# Altium PCB MB1272C.PcbDoc (part 7 of 10) (continued)
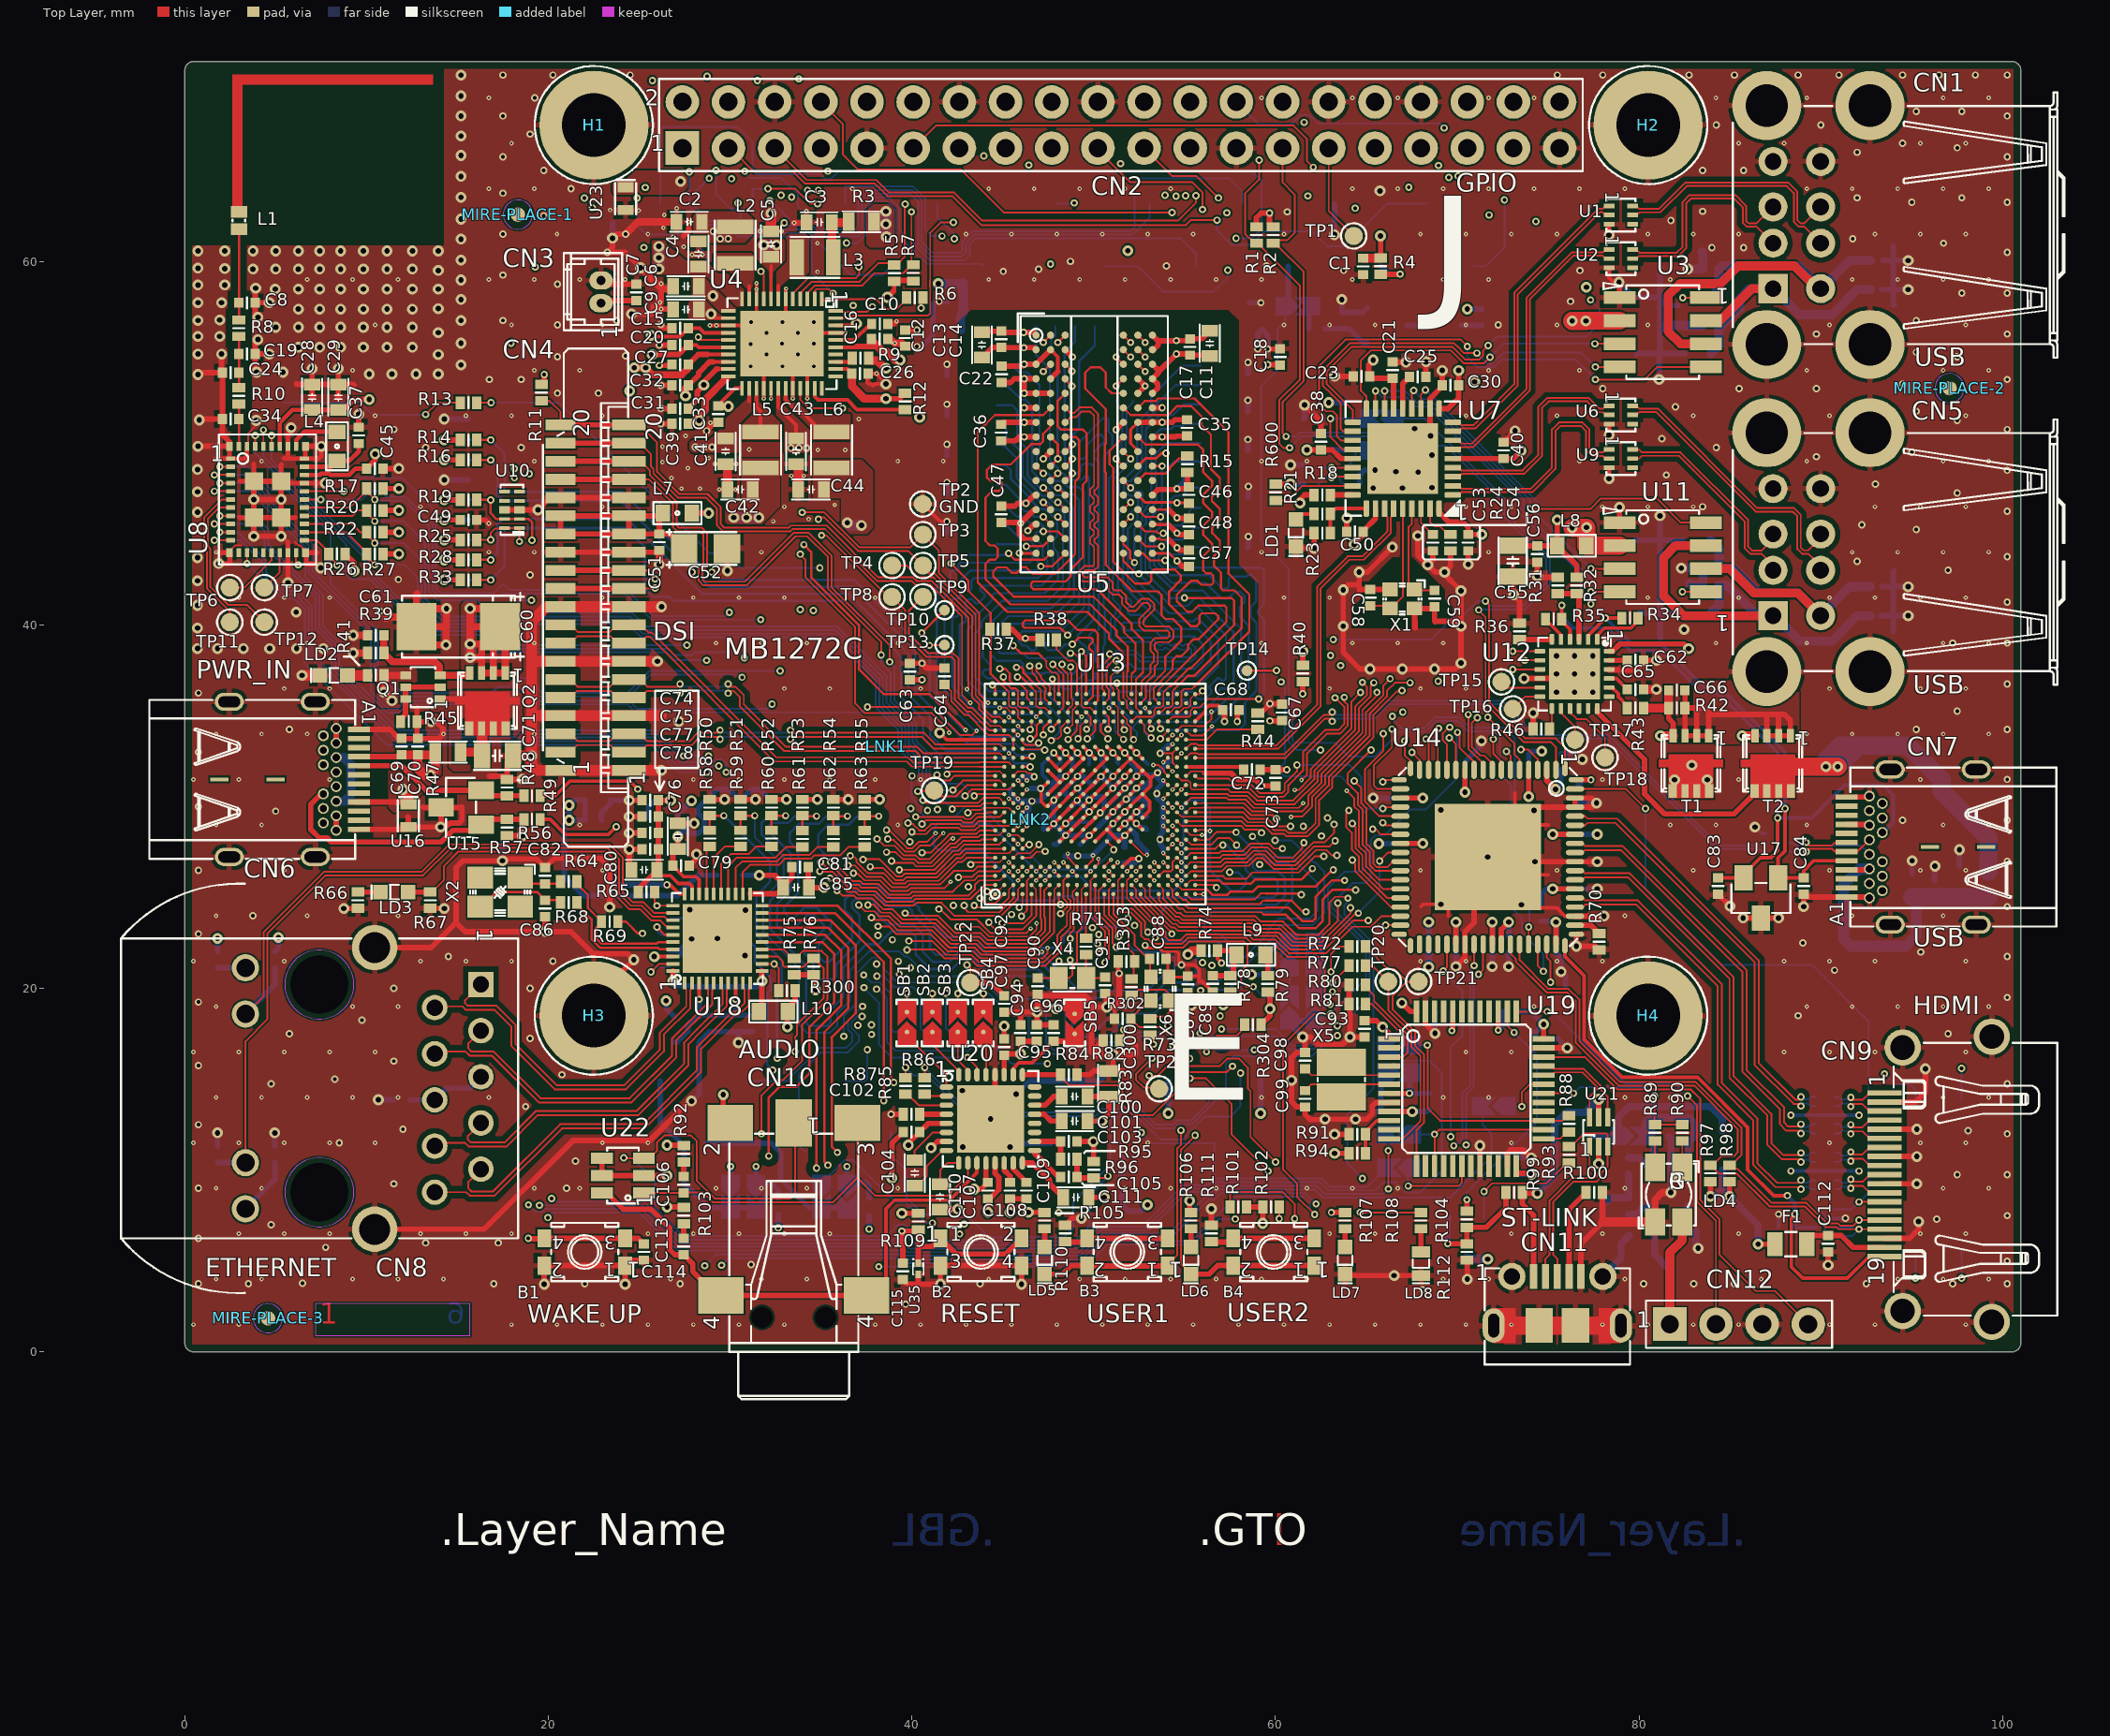
[diagram p0: Top Layer view]
## Nets (pads, with @x,y where several pads share a name; then routed paths per layer and width w, separated by ;. In a path a pad name is that pad's centre, name@x,y a point inside that pad or via, vN(x,y) a via of type N, cw(c..) or ccw(c..) an arc to the next point about the centre after c; other vN are vias at no path point) (continued)
  Top Layer w0.1: U13.AB5@55.08,27.19 55.335,27.445 56.909,27.445 57.004,27.54 58.199,27.54 58.624,27.965 59.636,27.965 59.908,27.693 60.377,27.693 v1(60.38,27.69) ; v1(72.702,33.031) 72.925,32.808 U14.7@72.925,32.025
  Signal Layer 2 w0.1: v1(60.38,27.69) 61.14,28.45 61.8,28.45 62.25,28 62.895,28 63.23,27.665 63.525,27.665 63.73,27.46 63.73,26.94 64.005,26.665 67.63,26.665 71.055,30.09 71.055,31.383 v1(72.702,33.031)
LTDC_R6: U13.B2 U14.6 | length 38.6
  Top Layer w0.09: 44.43,25.44 44.83,25.44 U13.B2@45.08,25.69
  Top Layer w0.1: v1@44.23,25.44 44.43,25.44 ; v1(71.68,34.915) 73.14,33.455 73.14,32.875 73.425,32.59 U14.6@73.425,32.025
  Signal Layer 2 w0.1: v1(44.129,25.34) 44.78,25.34 46.03,26.59 47.397,26.59 49.173,26.59 49.363,26.4 53.227,26.4 54.55,27.723 54.55,30.009 57.406,32.865 61.872,32.865 62.172,32.565 64.005,32.565 66.58,32.565 67.73,33.715 67.73,34.126 68.72,35.115 70.04,35.115 70.616,34.54 71.28,34.54 71.68,34.94 v1(71.68,34.915)
LTDC_R7: U13.D3 U14.4 | length 46.2
  Top Layer w0.1: v2(45.83,25.94) U13.D3@46.08,26.19 ; v1(73.506,33.14) 73.905,33.14 74.425,32.62 U14.4@74.425,32.025
  Signal Layer 1 w0.1: v1(42.28,24.565) 42.805,25.09 43.23,25.09 44.08,25.94 v2(45.83,25.94)
  Signal Layer 2 w0.1: v1(42.28,24.565) 42.83,24.015 44.602,24.015 44.977,24.39 ; 44.979,24.39 46.379,25.79 47.066,25.79 48.841,25.79 49.031,25.6 53.559,25.6 55.35,27.391 55.35,29.678 57.637,31.965 59.62,31.965 60.308,31.277 61.442,31.277 61.93,31.765 67.414,31.765 68.63,32.981 68.63,34.46 68.885,34.715 69.875,34.715 70.88,33.71 70.88,33.429 71.144,33.165 71.925,33.165 72.341,33.581 72.93,33.581 73.371,33.14 v1(73.506,33.14)
LTDC_VSYNC: U13.H4 U14.35 | length 36.5
  Top Layer w0.1: v2(47.83,26.94) U13.H4@48.08,26.69 ; v1(66.05,23.475) U14.35@66.875,23.475
  Signal Layer 1 w0.1: v1(45.775,20.3) 46.7,21.225 46.995,21.225 47.725,21.955 47.725,22.344 47.55,22.519 47.55,25.16 48.105,25.715 48.105,26.554 47.83,26.829 v2(47.83,26.94)
  Signal Layer 2 w0.1: v1@45.8,20.15 46,19.95 49.425,19.95 50.325,20.85 50.935,20.85 51.255,21.17 53.645,21.17 53.85,21.375 53.85,23.317 57.558,27.025 58.75,27.025 59,27.275 60.675,27.275 60.925,27.525 62.05,27.525 62.225,27.7 62.825,27.7 63.005,27.52 63.005,27.195 63.235,26.965 63.335,26.965 63.95,26.35 64.275,26.35 66.05,24.575 v1(66.05,23.475)
NetB1_3: B1.3 B1.4 C114.2 U4.17 | length 71.1
  Top Layer w0.1: v1(28.25,55.836) 28.411,55.675 U4.17@29.9,55.675
  Top Layer w0.3: v1(18.9,6.25) 18.9,6.225 19.75,6.225 B1.4@19.775,6.25 B1.3@24.225,6.25 24.95,6.25 C114.2@25.25,5.95
  Signal Layer 2 w0.1: v1(17.95,55.5) 19.4,56.95 20.775,56.95 21.375,56.35 25,56.35 25.575,56.925 27.161,56.925 v1(28.25,55.836)
  Signal Layer 3 w0.1: v1(17.95,55.5) 17.625,55.175 17.625,47.656 17.202,47.233 17.202,28.818 16.255,27.871 16.255,26.224 17.284,25.196 17.284,8.836 18.9,7.22 v1(18.9,6.25)
NetB3_3: B3.3 B3.4 R110.1 | length 5.7
  Top Layer w0.3: R110.1@48.425,6.075 48.45,6.05 49.425,6.05 B3.4@49.625,6.25 B3.3@54.075,6.25
NetB4_3: B4.3 B4.4 R111.1 | length 5.7
  Top Layer w0.3: R111.1@56.475,6.075 56.5,6.05 57.475,6.05 B4.4@57.675,6.25 B4.3@62.125,6.25
NetC3_2: C3.2 L3.2 R3.1 | length 2.9
  Top Layer w0.5: L3.2@35.675,60.225 35.6,60.3 35.6,62.125 R3.1@36.525,62.125
NetC7_2: C7.2 CN3.1 U13.1F1 | length 61
  Top Layer w0.1: U13.1F1@50.73,28.09 51.1,27.72 v1(51.1,27.635)
  Top Layer w0.3: CN3.1@22.9,57.7 23.05,57.85 C7.2@24.85,57.85
  Signal Layer 2 w0.1: CN3.1@22.9,57.7 23.025,57.825 24.091,57.825 24.841,58.575 29.425,58.575 30.55,57.45 36.565,57.45 v1@36.765,57.65
  Signal Layer 3 w0.1: v1(36.775,57.575) 35.7,56.5 35.7,53.981 35.325,53.606 35.325,49.6 35.78,49.145 35.78,35.673 39.763,31.69 v1(40.005,31.69)
  Bottom Layer w0.1: v1(40.005,31.69) 39.98,31.665 39.98,30.495 40.505,29.97 40.505,29.645 40.71,29.44 42.36,29.44 42.935,30.015 43.815,30.015 47.28,26.55 50.015,26.55 v1(51.1,27.635)
NetC8_2: C8.2 L1.1 R8.1 | length 5
  Top Layer w0.13: R8.1@2.975,56.775 C8.2@2.975,57.725 L1.1@2.975,61.775
NetC10_1: C10.1 U4.40 | length 2.2
  Top Layer w0.2: U4.40@35.8,55.675 36.684,55.675 36.828,55.675 C10.1@37.689,56.536
NetC19_2: C19.2 C24.2 R8.2 R10.1 | length 2.8
  Top Layer w0.13: R10.1@2.975,53.05 C24.2@2.975,53.875 C19.2@2.975,54.9 R8.2@2.975,55.875
NetC25_2: C25.2 U7.14 | length 1.9
  Top Layer w0.3: U7.14@67,51.9 67,53.275 C25.2@67.375,53.65
NetC34_2: C34.2 R10.2 U8.41 | length 2.3
  Top Layer w0.13: U8.41@2.975,49.825 C34.2@2.975,51.325 R10.2@2.975,52.15
NetC37_2: C37.2 L4.2 U8.31 | length 3.8
  Top Layer w0.25: U8.31@6.575,48.7 8.05,48.7 L4.2@8.375,49.025 9.05,49.025 9.575,49.55 C37.2@9.575,49.975
NetC51_2: C51.2 C52.1 CN4.14 CN4.15 L7.2 | length 15.8
  Top Layer w0.3: L7.2@26.3,46.15 L7.2@26.15,46 ; C52.1@27.475,44.2 26.675,45 C51.2@26.1,45 ; CN4.14@24.425,45 CN4.15@24.425,46 ; CN4.14@24.425,45 C51.2@26.1,45 ; CN4.14@24.425,45 CN4.14@20.675,45 CN4.15@20.675,46 CN4.15@24.425,46 ; CN4.15@24.425,46 L7.2@26.15,46 ; C51.2@26.1,45 26.1,45.95 L7.2@26.15,46
NetC53_2: C53.2 U7.34 | length 1.7
  Top Layer w0.1: U7.34@68,46.4 68,45.625 C53.2@68.65,44.975
NetC58_2: C58.2 U7.32 X1.3 | length 6.6
  Top Layer w0.1: C58.2@65.2,41.05 66.5,41.05 67,41.55 U7.32@67,46.15
NetC59_2: C59.2 U7.33 X1.1 | length 5.8
  Top Layer w0.1: U7.33@67.5,46.4 67.5,45.575 67.325,45.4 67.325,42.275 X1.1@67.65,41.95 67.7,41.9 C59.2@68.75,41.9
NetC61_1: C61.1 Q1.3 Q2.4 R39.2 | length 6.5
  Top Layer w0.4: C61.1@10.95,39.425 R39.2@10.95,38.45 11.425,37.975 13.75,37.975 14,37.725 14,37.275 Q1.3@14.05,37.225 15.55,37.225 Q2.4@15.675,37.35
NetC62_2: C62.2 U12.23 | length 1
  Top Layer w0.3: U12.23@78.35,38.05 C62.2@79.35,38.05
NetC64_2: C64.2 U13.C17 U13.C18 | length 5.9
  Top Layer w0.09: 44.055,34.09 44.205,33.94 45.33,33.94
  Top Layer w0.1: C64.2@41.79,36.715 42.165,36.34 42.165,35.795 42.923,35.037 43.108,35.037 44.055,34.09 ; 45.33,33.94 U13.C18@45.58,33.69 U13.C17@45.58,33.19
NetC65_2: C65.2 U12.21 | length 1.2
  Top Layer w0.2: U12.21@78.35,37.05 78.75,37.05 C65.2@79.35,36.45
NetC66_1: C66.1 R42.1 R43.1 T1.4 T2.4 | length 9.9
  Top Layer w0.3: R42.1@81.625,35.425 81.625,34.85 81.875,34.6 T1.4@81.875,33.9
  Top Layer w0.5: R43.1@80.25,35.425 R42.1@81.625,35.425 C66.1@81.625,36.4 ; v3(81.175,33.9) T1.4@81.875,33.9 ; v3(85.675,33.9) T2.4@86.375,33.9
  Signal Layer 2 w0.6: v3(81.175,33.9) v3(85.675,33.9)
NetC66_2: C66.2 R42.2 T1.1 T1.2 T1.3 T2.1 T2.2 T2.3 | length 17.2
  Top Layer w0.3: C66.2@82.525,36.4 R42.2@82.525,35.425 ; R42.2@82.525,35.425 83.2,35.425 ; R42.2@82.525,35.425 T1.3@82.525,33.9 T1.2@83.175,33.9 ; T1.2@83.175,33.9 T1.1@83.825,33.9 83.825,35.175 ; T1.2@83.175,33.9 83.175,35.4 83.2,35.425 ; 83.2,35.425 83.575,35.425 83.825,35.175 ; 83.825,35.175 83.925,35.075 87.075,35.075 ; 87.075,35.075 87.625,35.075 ; 87.075,35.075 87.025,35.025 T2.3@87.025,33.9 T2.2@87.675,33.9 ; 87.625,35.075 88,35.075 88.325,34.75 T2.1@88.325,33.9 T2.2@87.675,33.9 ; 87.625,35.075 87.675,35.025 T2.2@87.675,33.9
NetC69_2: C69.2 C70.1 CN6.A4 CN6.A9 CN6.B4 CN6.B9 R47.1 U16.1 | length 25.9
  Top Layer w0.3: CN6.A9@9.38,30.25 CN6.A9@9.58,30.25 12.175,30.25 U16.1@12.3,30.125 ; CN6.A4@9.38,32.75 CN6.A4@9.58,32.75 11.825,32.75 C69.2@11.925,32.85 ; R47.1@13.625,32.85 R47.1@13.775,33
  Top Layer w0.5: C69.2@11.925,32.85 C70.1@12.825,32.85 ; v3(12,30.95) 12.3,30.65 U16.1@12.3,30.125 ; R47.1@13.625,32.85 C70.1@12.825,32.85 ; R47.1@13.775,33 13.775,32.025 13.525,31.775 v3(13.525,31.725) 13.2,31.725 12.825,32.1 C70.1@12.825,32.85
  Signal Layer 2 w0.5: CN6.B9@8.31,32.7 CN6.B9@8.33,32.7 8.68,32.7 9.105,32.275 9.105,30.65 8.755,30.3 CN6.B4@8.33,30.3
  Signal Layer 3 w0.5: CN6.B4@8.33,30.3 8.7,30.3 9.125,30.725 9.125,32.3 8.725,32.7 CN6.B9@8.33,32.7
  Signal Layer 4 w0.5: CN6.B4@8.305,30.3 8.33,30.325 8.93,30.325 9.28,30.675 9.28,32.25 8.83,32.7 CN6.B9@8.33,32.7 CN6.B9@8.31,32.7
  Bottom Layer w0.5: CN6.B4@8.33,30.3 8.8,30.3 9.15,30.65 9.15,32.3 8.75,32.7 CN6.B9@8.33,32.7
NetC71_2: C71.2 Q1.1 Q2.5 Q2.6 Q2.7 Q2.8 R47.2 | length 5.4
  Top Layer w0.3: Q1.1@14.05,35.925 16.425,35.925 16.6,35.75
  Top Layer w0.5: R47.2@15.175,33 16.15,33 C71.2@16.35,32.8 ; Q2.6@16.325,34.3 Q2.6@16.35,34.275
  Top Layer w0.6: C71.2@16.35,32.8 Q2.6@16.35,34.275
NetC72_2: C72.2 U13.AB15 | length 3.2
  Top Layer w0.2: U13.AB15@55.08,32.19 58.105,32.19 C72.2@58.255,32.04
NetC82_2: C82.2 R64.1 X2.1 | length 2.4
  Top Layer w0.13: X2.1@18.45,26.1 18.8,25.75 C82.2@19.825,25.75 20.55,25.75 R64.1@20.675,25.875
NetC83_2: C83.2 CN7.B5 R35.2 U12.4 U17.2 | length 36.7
  Top Layer w0.2: v1(75.75,41.075) R35.2@75.75,40.325 75.75,40.2 76.2,39.75 U12.4@76.2,39.2 ; C83.2@84.35,26.075 U17.2@85.75,26.075 85.75,26.275 86.675,27.2 87.25,27.2 87.625,27.575 v1(87.625,29.375)
  Bottom Layer w0.2: v1(75.75,41.075) 75.75,40.475 76.4,39.825 78.276,39.825 79.526,38.575 81.15,38.575 83.475,36.25 84.351,36.25 87.625,32.976 v1(87.625,29.375) 89.5,29.375 91.3,31.175 93.425,31.175 93.98,30.62 93.98,29.126 93.429,28.575 CN7.B5@93.38,28.575
NetC84_2: C84.2 CN7.A5 R34.2 U12.2 U17.1 | length 26.9
  Top Layer w0.2: U12.2@77.2,39.2 77.2,39.425 v1(78.15,40.375) R34.2@79.05,40.375 ; v1(88.025,29.9) 88.025,27.551 87.65,27.176 U17.1@87.65,26.075 C84.2@89.05,26.075 89.05,26.475 89.6,27.025 CN7.A5@91.42,27.025
  Bottom Layer w0.2: v1(78.15,40.375) 79.65,38.875 81.274,38.875 83.599,36.55 84.475,36.55 88.025,33 v1(88.025,29.9)
NetC86_2: C86.2 R68.1 X2.3 | length 5
  Top Layer w0.13: X2.3@16.25,24.5 16.35,24.5 17.15,25.3 19.375,25.3 C86.2@19.825,24.85 20.55,24.85 R68.1@20.675,24.725
NetC87_1: C87.1 R73.1 R302.1 X6.1 | length 5.1
  Top Layer w0.1: R73.1@52.25,19.6 52.25,19.725 52.45,19.925 53.925,19.925 54.2,19.65 X6.1@54.2,19.325 ; R302.1@53.3,18.45 53.925,18.45 54.2,18.725 X6.1@54.2,19.325 ; C87.1@54.975,19.675 54.625,19.325 X6.1@54.2,19.325
NetC89_2: C89.2 L9.2 R74.1 R78.2 U13.1H1 | length 13.2
  Top Layer w0.1: U13.1H1@52.03,28.09 52.78,27.34 v4(52.93,27.34)
  Top Layer w0.2: R74.1@56.8,22.075 56.8,21.62 v1(57.03,21.39)
  Top Layer w0.3: C89.2@56.55,20.7 R78.2@57.525,20.7 57.68,20.855 57.68,21.68 L9.2@57.85,21.85 57.625,22.075 R74.1@56.8,22.075
  Signal Layer 1 w0.1: v4(52.93,27.34) 52.855,27.265 52.855,25.451 53.891,24.415 54.115,24.415 57.03,21.5 v1(57.03,21.39)
NetC90_1: C90.1 U13.L2 X4.2 | length 7.2
  Top Layer w0.09: 49.33,24.975 49.33,25.44 U13.L2@49.58,25.69
  Top Layer w0.1: C90.1@46.925,20.575 X4.2@48.075,20.575 48.665,20.575 48.83,20.74 48.83,21.215 48.85,21.215 49.075,21.44 49.075,23.067 49.33,23.322 49.33,24.975
NetC91_1: C91.1 R71.2 X4.1 | length 2.4
  Top Layer w0.1: R71.2@49.575,21.85 X4.1@49.575,20.575 C91.1@50.725,20.575
NetC92_2: C92.2 TP22.1 U13.M4 | length 18.1
  Top Layer w0.1: v1(43.03,21.29) 43.03,21.365 43.205,21.19 TP22.1@43.205,20.315 ; U13.M4@50.08,26.69 50.255,26.865 v2(50.255,27.123)
  Top Layer w0.3: TP22.1@43.205,20.315 44.36,20.315 C92.2@45.075,19.6
  Signal Layer 1 w0.1: v1(50.23,22.44) 50.25,22.44 50.63,22.82 50.63,23.418 50.3,23.748 50.3,25.275 50.255,25.32 50.255,26.194 50.304,26.243 50.304,27.074 v2(50.255,27.123)
  Signal Layer 2 w0.1: v1(43.03,21.29) 45.835,21.29 46.724,20.401 49.199,20.401 49.855,21.058 49.855,22.285 50.01,22.44 v1(50.23,22.44)
NetC96_1: C96.1 SB5.2 U20.26 | length 4.1
  Top Layer w0.2: U20.26@45.575,15.25 45.575,15.6 45.875,15.9 46.6,15.9 C96.1@47.8,17.1
  Top Layer w0.3: C96.1@47.8,17.1 48.65,17.1 48.7,17.05
NetC100_2: C100.2 U20.22 | length 1.7
  Top Layer w0.3: U20.22@46.75,13.575 47.325,13.575 47.8,14.05 C100.2@48.25,14.05
NetC101_2: C101.2 U20.21 | length 1.7
  Top Layer w0.3: U20.21@46.75,13.075 47.275,13.075 47.65,12.7 C101.2@48.25,12.7
NetC103_2: C103.2 R95.2 U20.18 | length 2.4
  Top Layer w0.3: U20.18@46.75,11.575 C103.2@48.175,11.575 R95.2@48.175,10.6
NetC104_1: C104.1 U20.8 | length 2.9
  Top Layer w0.1: C104.1@40.15,9.15 40.275,9.15 40.825,9.7 40.825,10.225 41.675,11.075 U20.8@41.9,11.075
NetC104_2: C104.2 U20.6 | length 2.7
  Top Layer w0.1: C104.2@40.15,10.55 40.15,11.075 41.15,12.075 U20.6@41.9,12.075
NetC105_1: C105.1 CN10.1 R95.1 R96.2 U22.3 | length 52.1
  Top Layer w0.1: v1(24.15,10.675) 24.175,10.65 U22.3@25.25,10.65 25.575,10.65 25.975,11.05 25.975,11.51 26.38,11.915 27.855,11.915 28.155,11.615 28.155,9.44 29.155,8.44 33.33,8.44 33.565,8.675 33.565,12.535 CN10.1@33.5,12.6 ; R96.2@50,9.575 50.01,9.565 50.679,9.565 v1(50.78,9.666)
  Top Layer w0.3: R95.1@49.075,10.6 C105.1@49.075,9.625 49.125,9.575 R96.2@50,9.575
  Bottom Layer w0.1: v1(24.15,10.675) 24.6,10.675 25.88,9.395 25.88,7.915 27.42,6.375 38.594,6.375 39.219,7 39.595,7 40.505,6.09 48.94,6.09 49.781,6.931 49.781,8.631 50.78,9.63 v1(50.78,9.666)
NetC105_2: C105.2 U20.17 | length 2.1
  Top Layer w0.3: U20.17@46.75,11.075 46.75,10.925 48.05,9.625 C105.2@48.175,9.625
NetC106_1: C106.1 R92.2 | length 0.8
  Top Layer w0.3: C106.1@27.45,9.65 R92.2@27.45,10.45
NetC106_2: C106.2 CN10.3 U20.10 U22.1 | length 23.2
  Top Layer w0.1: U22.1@25.25,8.75 C106.2@27.45,8.75 27.465,8.765 28.505,8.765 29.03,8.24 35.665,8.24 37,9.575 ; CN10.3@37,12.6 37,9.575 ; U20.10@43.075,10.4 43.075,9.704 41.971,8.6 37.975,8.6 37,9.575
NetC108_2: C108.2 U20.14 | length 1.2
  Top Layer w0.3: U20.14@45.075,10.4 45.075,10 45.4,9.675 C108.2@45.4,9.325
NetC109_2: C109.2 U20.15 | length 1.4
  Top Layer w0.3: U20.15@45.575,10.4 45.575,10.066 46.3,9.341 C109.2@46.3,9.325
NetC110_2: C110.2 U20.9 | length 2
  Top Layer w0.1: C110.2@41.55,9.225 41.55,10 41.95,10.4 U20.9@42.575,10.4
NetC111_2: C111.2 U20.16 | length 3.2
  Top Layer w0.3: U20.16@46.075,10.4 46.625,10.4 47.575,9.45 47.575,9.25 C111.2@48.325,8.5
NetC112_2: C112.2 CN9.18 F1.2 | length 4.5
  Top Layer w0.3: F1.2@89.225,6.4 C112.2@90.4,6.4 91.125,6.4 91.775,5.75 CN9.18@93.5,5.75
NetC113_1: C113.1 R103.2 | length 0.8
  Top Layer w0.3: C113.1@27.45,6.25 R103.2@27.45,7.05
NetC113_2: C113.2 CN10.4 U20.11 U22.6 | length 30
  Top Layer w0.2: CN10.4@37.5,3.1 38.525,3.1 38.575,3.15 38.575,7.875 39.05,8.35 42.075,8.35 43.575,9.85 U20.11@43.575,10.4
  Top Layer w0.3: U22.6@22.95,8.75 23.225,8.75 24.125,7.85 25.65,7.85 26.675,6.825 26.675,5.625 26.95,5.35 C113.2@27.45,5.35 27.95,4.85 27.95,4.425 29.275,3.1 CN10.4@29.5,3.1 CN10.4@37.5,3.1
NetC117_2: C117.2 C118.2 CN1.B1 U3.6 U24.1 | length 25.2
  Top Layer w0.5: U3.6@83.675,55.465 82.285,55.465 81.6,56.15 81.6,58.125 82.25,58.775 84.475,58.775 85.45,59.75 88.55,59.75 89.8,58.5 CN1.B1@89.99,58.5
  Bottom Layer w0.5: C118.2@83.95,58.025 84.4,58.475 C117.2@84.4,59.575 84.575,59.75 88.74,59.75 CN1.B1@89.99,58.5 90.025,58.5 91.575,60.05 U24.1@92.725,60.05
NetC123_2: C123.2 C124.2 CN1.T1 U3.7 U25.1 | length 16.8
  Top Layer w0.5: U3.7@83.675,56.735 84.435,56.735 86.2,58.5 CN1.T1@87.37,58.5
  Bottom Layer w0.5: C124.2@83.95,54.925 84.4,55.375 C123.2@84.4,56.475 84.575,56.475 84.795,56.695 85.525,57.425 85.525,57.95 86.075,58.5 CN1.T1@87.37,58.5 87.4,58.5 88.825,57.075 90.625,57.075 92,58.45 U25.1@92.725,58.45
NetC133_2: C133.2 C136.2 CN5.B1 U11.6 U27.1 | length 19.7
  Top Layer w0.5: U11.6@83.11,43.09 U11.6@83.675,43.09 84.985,43.09 86.325,41.75 88.74,41.75 CN5.B1@89.99,40.5
  Bottom Layer w0.5: C133.2@83.95,44.65 84.4,44.2 C136.2@84.4,43.125 ; C136.2@84.375,43.125 C136.2@84.4,43.125 ; CN5.B1@89.99,40.5 88.74,41.75 86.575,41.75 85.2,43.125 C136.2@84.4,43.125 ; CN5.B1@90.025,40.55 91.575,42.1 U27.1@92.725,42.1
NetC137_2: C137.2 C138.2 CN5.T1 U11.7 U28.1 | length 23.1
  Top Layer w0.5: U11.7@83.675,44.36 82.01,44.36 81.35,43.7 81.35,41.6 82.45,40.5 CN5.T1@87.37,40.5
  Bottom Layer w0.5: C138.2@83.95,40.65 84.4,41.1 C137.2@84.4,42.2 84.8,42.2 86.5,40.5 CN5.T1@87.37,40.5 ; CN5.T1@87.4,40.55 88.85,39.1 90.6,39.1 92,40.5 U28.1@92.725,40.5
NetC166_2: C166.2 C167.2 CN7.A4 CN7.A9 CN7.B4 CN7.B9 R150.1 U30.1 | length 29.7
  Top Layer w0.3: CN7.A4@91.42,26.525 92.62,26.525 CN7.B9@92.67,26.575 ; CN7.A9@91.42,29.025 92.62,29.025 CN7.B4@92.67,28.975
  Signal Layer 2 w0.6: CN7.B9@92.649,26.575 91.9,26.575 91.55,26.925 91.55,28.7 91.825,28.975 CN7.B4@92.67,28.975
  Signal Layer 3 w0.6: CN7.B9@92.649,26.575 92.125,26.575 91.825,26.875 91.825,28.525 92.275,28.975 CN7.B4@92.67,28.975
  Signal Layer 4 w0.6: CN7.B9@92.649,26.575 92.225,26.575 91.825,26.975 91.825,28.675 92.125,28.975 CN7.B4@92.67,28.975
  Bottom Layer w0.6: CN7.B9@92.67,26.575 92.125,26.575 91.25,25.7 91.25,22.725 91.65,22.325 94.675,22.325 95.25,22.9 95.25,24.8 U30.1@95.025,25.025
  Bottom Layer w1: U30.1@95.025,25.025 C167.2@96.27,25.025 ; C167.2@96.275,25.025 C167.2@96.27,25.025 ; R150.1@99.225,25.025 C166.2@97.625,25.025 C167.2@96.27,25.025
NetC183_2: C183.2 CN8.5 CN8.6 | length 4.4
  Bottom Layer w0.3: C183.2@12.4,13.875 12.41,13.865 CN8.6@13.75,13.865 14.385,14.5 15.655,14.5 CN8.5@16.29,15.135
NetC185_1: C185.1 C187.2 SB21.2 U34.1 U34.3 | length 9.7
  Bottom Layer w0.4: C187.2@79.425,10.675 80,10.675 80.45,10.225 U34.1@80.8,10.225 80.8,11.5 80.425,11.875 SB21.2@80.35,11.875 ; SB21.2@80.275,11.875 SB21.2@80.35,11.875 ; U34.3@82.7,10.225 82.7,11.5 C185.1@83.05,11.85 83.05,12.6 82.75,12.9 80.625,12.9 80.35,12.625 SB21.2@80.35,11.875
NetC189_2: C189.2 U34.4 | length 1.6
  Bottom Layer w0.4: C189.2@82.225,6.625 82.225,7.15 82.7,7.625 U34.4@82.7,8.025
NetC300_2: C300.2 R304.2 X6.4 | length 8.8
  Top Layer w0.1: C300.2@51.975,18.475 52.15,18.475 52.7,19.025 52.9,19.025 X6.4@53.2,19.325 ; C300.2@52.05,18.325 52.5,17.875 53.649,17.875 54.074,17.45 54.925,17.45 55.28,17.095 56.455,17.095 56.761,17.4 57.85,17.4 58.3,17.85 R304.2@58.3,18
NetCN8_11: CN8.11 R157.1 | length 1.5
  Bottom Layer w0.3: R157.1@1.8,21.125 1.805,21.13 CN8.11@3.34,21.13
NetCN8_12: CN8.12 R156.2 U18.32 | length 35.3
  Top Layer w0.1: CN8.12@3.34,18.59 4.34,19.59 4.34,23.098 7.657,26.415 13.032,26.415 14.542,27.925 23.35,27.925 24.1,27.175 24.1,25.275 24.625,24.75 25.225,24.75 25.825,24.15 U18.32@26.85,24.15
  Bottom Layer w0.3: CN8.12@3.34,18.59 4.95,20.2 R156.2@4.95,21.125
NetCN8_13: CN8.13 R163.2 U18.33 | length 41.7
  Top Layer w0.1: CN8.13@3.34,10.41 3.34,17.09 4.54,18.29 4.54,23.015 7.74,26.215 13.115,26.215 14.625,27.725 23.267,27.725 23.9,27.092 23.9,25.192 24.542,24.55 25.142,24.55 25.742,23.95 26.375,23.95 26.575,23.75 U18.33@26.85,23.75
  Bottom Layer w0.3: R163.2@1.8,10.425 3.325,10.425 CN8.13@3.34,10.41
NetCN8_14: CN8.14 R162.2 | length 3.2
  Bottom Layer w0.3: CN8.14@3.34,7.87 4.95,9.48 R162.2@4.95,10.425
NetCN13_8: CN13.8 R4.1 | length 2.3
  Top Layer w0.3: R4.1@65.784,59.286 66.839,59.286 v1(66.853,59.3)
  Bottom Layer w0.3: CN13.8@65.784,59.736 66.22,59.3 v1(66.853,59.3)
NetCN15_10: CN15.10 R13.2 | length 10.4
  Top Layer w0.1: v1(13.25,51.575) 13.9,52.225 R13.2@15.15,52.225
  Bottom Layer w0.1: CN15.10@5.4,52.225 9.689,52.225 10.364,51.55 13.275,51.55 v1(13.25,51.575)
NetCN17_5: CN17.5 SB23.2 SB24.2 | length 10
  Bottom Layer w0.3: CN17.5@28.7,11.475 32.275,11.475 32.775,10.975 32.775,9.525 34.35,7.95 SB24.2@35.025,7.95 SB23.2@36.425,7.95
NetCN17_6: CN17.6 SB25.2 SB26.2 | length 10.7
  Bottom Layer w0.3: CN17.6@26.16,14.904 26.16,12.635 27.475,11.32 27.475,9.25 28.775,7.95 SB26.2@30.025,7.95 SB25.2@31.425,7.95
NetD1_2: D1.2 D2.2 SB21.1 | length 9.6
  Bottom Layer w0.4: D2.2@77.495,11.875 78.875,11.875 ; SB21.1@79.175,11.875 78.875,11.875 ; D1.2@84.575,12.145 84.575,12.85 83.925,13.5 79.45,13.5 78.875,12.925 78.875,11.875
NetL2_1: L2.1 U4.11 | length 0.7
  Top Layer w0.2: U4.11@31.05,57.925 31.05,58.65
NetL3_1: L3.1 U4.7 | length 0.7
  Top Layer w0.2: U4.7@32.65,57.925 32.65,58.672
NetL4_1: L4.1 U8.34 | length 2.8
  Top Layer w0.25: U8.34@6.125,49.825 6.125,50.175 6.575,50.625 L4.1@8.375,50.625
NetL5_1: L5.1 U4.25 | length 3
  Top Layer w0.2: U4.25@31.45,53.025 31.45,52 31.675,51.775 31.675,50.725 31.775,50.625 L5.1@32.2,50.625
NetL6_1: L6.1 U4.29 | length 3.9
  Top Layer w0.2: U4.29@33.05,53.025 33.05,52.39 33.565,51.875 33.8,51.875 35.05,50.625 L6.1@35.575,50.625
NetL8_2: L8.2 U3.2 U11.2 | length 27.7
  Top Layer w0.6: v3@77.065,56.735 v3(77.075,56.725) ; L8.2@77.1,44.35 L8.2@77.11,44.36
  Top Layer w1: v3(76.325,56.725) v3(77.075,56.725) ; v3@76.336,45.339 77.089,45.339 77.1,45.35 L8.2@77.1,44.35 ; v3@77.065,56.735 U3.2@78.925,56.735 ; L8.2@77.11,44.36 U11.2@78.925,44.36
  Signal Layer 1 w0.6: v3(76.325,45.35) 77.102,45.35 v3(77.114,45.361) ; v3(76.325,56.725) v3(77.075,56.725)
  Signal Layer 2 w0.6: v3(76.325,45.35) 76.336,45.361 v3(77.114,45.361) ; v3(76.325,56.725) v3(77.075,56.725)
  Signal Layer 3 w1: 76.325,55.975 76.325,52.75 77.114,51.961 77.114,46.116 ; 76.325,55.975 v3(76.325,56.725) v3(77.075,56.725) 76.325,55.975 ; 77.114,46.116 v3(77.114,45.361) 76.359,45.361 77.114,46.116
  Signal Layer 4 w0.6: v3(76.325,45.35) 77.102,45.35 v3(77.114,45.361) ; v3(76.325,56.725) v3(77.075,56.725)
  Bottom Layer w0.6: v3(76.325,45.35) 77.102,45.35 v3(77.114,45.361) ; v3(76.325,56.725) v3(77.075,56.725)
NetL9_1: L9.1 R79.2 | length 1.2
  Top Layer w0.3: L9.1@59.45,21.85 59.575,21.725 R79.2@59.575,20.7
NetLD1_1: LD1.1 R21.1 | length 1.1
  Top Layer w0.2: LD1.1@61.125,45.8 61.425,46.1 R21.1@62.125,46.1
NetLD2_1: LD2.1 R41.1 | length 1.1
  Top Layer w0.6: LD2.1@8.95,37.225 R41.1@10.05,37.225
NetLD3_1: LD3.1 R67.2 U18.34 | length 18.8
  Top Layer w0.1: R67.2@13.5,25.3 13.6,25.3 14.25,25.95 14.25,26.725 15.05,27.525 23.184,27.525 23.7,27.009 23.7,25.109 24.459,24.35 25.059,24.35 25.659,23.75 26.15,23.75 26.55,23.35 U18.34@26.85,23.35
  Top Layer w0.3: LD3.1@12.275,25.3 R67.2@13.5,25.3
NetLD3_2: LD3.2 R66.2 | length 1.3
  Top Layer w0.3: R66.2@9.525,25.3 LD3.2@10.775,25.3
NetLD4_2: LD4.2 R89.1 | length 1.5
  Top Layer w0.1: LD4.2@80.875,10.15 R89.1@80.875,11.6
NetLD4_3: LD4.3 R90.1 | length 1.5
  Top Layer w0.1: LD4.3@82.375,10.15 R90.1@82.375,11.6
NetLD5_1: LD5.1 R105.1 | length 1
  Top Layer w0.3: LD5.1@47.3,5.775 R105.1@47.3,6.775
NetLD6_1: LD6.1 R106.1 | length 1
  Top Layer w0.3: LD6.1@55.35,5.775 R106.1@55.35,6.775
NetLD7_1: LD7.1 R107.2 | length 1
  Top Layer w0.3: LD7.1@63.825,5.775 R107.2@63.825,6.775
NetLD8_1: LD8.1 R108.2 | length 1.3
  Top Layer w0.3: LD8.1@68,5.5 R108.2@68,6.775
NetLD9_1: LD9.1 R114.1 | length 1.1
  Bottom Layer w0.3: LD9.1@70.225,56.475 R114.1@71.35,56.475
NetLD9_2: LD9.2 T4.3 | length 1.5
  Bottom Layer w0.3: T4.3@67.225,56.475 LD9.2@68.725,56.475
NetLE1_1: LE1.1 U18.30 | length 5.7
  Top Layer w0.2: v1(26.525,25.7) 26.7,25.7 27.2,25.2 U18.30@27.5,25.2
  Bottom Layer w0.2: LE1.1@23.075,27 23.075,26.2 LE1.1@23.675,25.6
  Bottom Layer w0.3: LE1.1@23.675,25.6 23.775,25.7 v1(26.525,25.7)
NetLNK1_1: LNK1.1 U4.9 | length 56.5
  Top Layer w0.1: v1(31.7,59.45) 31.85,59.3 U4.9@31.85,57.925
  Signal Layer 4 w0.2: v1(31.7,59.45) 30.8,60.35 30.8,62.5 30.485,62.815 28.36,62.815 27.45,61.905 27.45,58.559 28.409,57.6 29.257,57.6 29.307,57.65 33.3,57.65 34.925,59.275 41.657,59.275 41.95,58.982 41.95,58.4 41.775,58.225 40.15,58.225 39.65,57.725 39.65,55.05 40.15,54.55 40.15,53.311 38.855,52.016 38.855,38.57 39.275,38.15 39.275,37.775 38.575,37.075 LNK1.1@38.575,33.525
NetLNK2_1: LNK2.1 U4.5 | length 42
  Top Layer w0.1: U4.5@33.45,57.925 33.45,58.237 34.288,59.075 36.9,59.075 37.1,59.275 37.1,59.675 v1(37.075,59.7)
  Signal Layer 3 w0.2: v1(37.075,59.7) 37.1,59.725 37.427,59.398 37.427,57.667 37.425,57.666 37.425,57.334 37.45,57.309 37.45,55.929 36.18,54.659 36.18,53.824 35.775,53.419 35.775,49.925 36.25,49.45 36.25,46.6 36.553,46.297 37.473,46.297 37.875,45.895 37.875,37.7 40.7,34.875 42.295,34.875 42.725,34.445 42.725,32.862 LNK2.1@46.287,29.3
NetQ1_2: Q1.2 Q1.5 Q1.6 R45.2 | length 3.9
  Top Layer w0.3: R45.2@11.875,34.675 11.875,34.825 12.15,35.1 Q1.6@12.15,35.925 Q1.5@12.15,36.575 Q1.2@14.05,36.575
NetR6_2: R6.2 U4.1 | length 5.4
  Top Layer w0.1: U4.1@35.05,57.925 35.05,57.875 35.82,57.875 35.87,57.925 38.025,57.925 38.575,57.375 39.15,57.375 39.8,58.025 R6.2@39.9,58.025
NetR9_2: R9.2 U4.37 | length 1
  Top Layer w0.2: U4.37@35.8,54.475 R9.2@36.825,54.475
NetR12_1: R12.1 U4.33 | length 5.7
  Top Layer w0.2: U4.33@34.65,53.025 34.65,52.561 34.836,52.375 36.45,52.375 36.975,51.85 R12.1@39.625,51.85
NetR15_2: R15.2 U5.L8 | length 3.3
  Top Layer w0.12: U5.L8@52.43,47.94 52.81,48.32 53.934,48.32 54.18,48.566 54.18,48.651 54.694,49.165 55.03,49.165 R15.2@55.155,49.29
NetR18_1: R18.1 U7.27 | length 1.2
  Top Layer w0.3: R18.1@63.025,47.15 U7.27@64.25,47.15
NetR21_2: R21.2 R23.2 U7.28 | length 3.1
  Top Layer w0.2: R23.2@63.025,45.05 R21.2@63.025,46.1 63.325,46.4 U7.28@65,46.4
NetR24_2: R24.2 U7.35 | length 2.1
  Top Layer w0.1: U7.35@68.5,46.4 68.5,45.675 68.75,45.425 69.05,45.425 69.5,44.975 R24.2@69.625,44.975
NetR31_2: R31.2 R32.1 U12.3 | length 3.6
  Top Layer w0.3: R31.2@75.525,41.725 R32.1@76.575,41.725 76.7,41.6 U12.3@76.7,39.2
NetR34_1: R34.1 U12.1 | length 3
  Top Layer w0.2: U12.1@77.7,39.2 77.7,39.425 78.1,39.825 79.55,39.825 79.95,40.225 R34.1@79.95,40.375
NetR35_1: R35.1 U12.5 | length 1.5
  Top Layer w0.2: R35.1@74.85,40.325 74.85,40.3 75.7,39.45 U12.5@75.7,39.2
NetR36_2: R36.2 U12.6 | length 1.8
  Top Layer w0.3: R36.2@73.425,39.2 U12.6@75.2,39.2
NetR38_1: R38.1 U13.K23 | length 3.6
  Top Layer w0.09: R38.1@47.95,39.17 47.95,38.66 48.575,38.035 48.873,38.035 49.08,37.828 U13.K23@49.08,36.19
NetR43_2: R43.2 U12.20 | length 1.6
  Top Layer w0.2: U12.20@78.35,36.55 78.521,36.55 78.85,36.221 78.85,36.05 79.35,35.55 R43.2@79.35,35.425
NetR44_2: R44.2 U13.AB18 | length 4.2
  Top Layer w0.1: U13.AB18@55.08,33.69 56.23,33.69 56.79,34.25 R44.2@59.025,34.25
NetR46_2: R46.2 U12.13 | length 1.2
  Top Layer w0.1: R46.2@75.075,34.275 75.2,34.4 U12.13@75.2,35.4
NetR58_2: R58.2 U18.27 | length 2.7
  Top Layer w0.1: U18.27@28.7,25.2 28.7,27.625 R58.2@28.875,27.8
NetR59_2: R59.2 U18.26 | length 3.7
  Top Layer w0.1: U18.26@29.1,25.2 29.1,27.2 29.7,27.8 R59.2@30.575,27.8
NetR60_2: R60.2 U18.25 | length 4.8
  Top Layer w0.1: U18.25@29.5,25.2 29.5,26.85 30.045,27.395 31.02,27.395 31.425,27.8 R60.2@32.275,27.8
NetR61_2: R61.2 U18.24 | length 6
  Top Layer w0.1: U18.24@29.9,25.2 29.9,26.725 30.37,27.195 32.495,27.195 33.075,27.775 R61.2@33.975,27.775
NetR62_2: R62.2 U18.23 | length 7.3
  Top Layer w0.1: U18.23@30.3,25.2 30.3,26.625 30.67,26.995 32.595,26.995 32.95,27.35 34.375,27.35 34.8,27.775 R62.2@35.675,27.775
NetR63_2: R63.2 U18.22 | length 8.5
  Top Layer w0.1: U18.22@30.7,25.2 30.7,26.4 31.095,26.795 32.678,26.795 33.033,27.15 34.458,27.15 34.633,27.325 36.05,27.325 36.5,27.775 R63.2@37.4,27.775
NetR64_2: R64.2 R69.1 U18.36 | length 8.2
  Top Layer w0.13: R64.2@21.575,25.875 21.575,25.75 22.175,25.15 22.175,24.425 R69.1@22.925,23.675 22.925,23.62 22.605,23.3 22.605,22.795 22.945,22.455 25.95,22.455 26.045,22.55 U18.36@26.85,22.55
NetR68_2: R68.2 U18.37 | length 7.1
  Top Layer w0.13: R68.2@21.575,24.725 21.575,24.6 22.375,23.8 22.375,22.7 22.85,22.225 26.05,22.225 26.125,22.15 U18.37@26.85,22.15
NetR70_1: R70.1 U14.56 | length 1.5
  Top Layer w0.3: U14.56@76.475,23.475 77.35,23.475 R70.1@77.8,23.025
NetR71_1: R71.1 U13.L1 | length 2.4
  Top Layer w0.1: R71.1@49.575,22.75 49.58,22.755 U13.L1@49.58,25.19
NetR80_2: R80.2 U19.3 | length 5.8
  Top Layer w0.1: R80.2@64.95,20.2 64.95,20.075 65.425,19.6 65.425,19.3 67.275,17.45 67.275,16.475 67.025,16.225 U19.3@66.25,16.225
NetR81_1: R81.1 U19.2 | length 4.3
  Top Layer w0.1: R81.1@64.95,19.15 65.292,19.15 67.075,17.367 67.075,16.85 66.95,16.725 U19.2@66.25,16.725
NetR85_1: R85.1 U20.3 | length 2.5
  Top Layer w0.1: R85.1@39.65,14.175 39.775,14.175 40.375,13.575 U20.3@41.9,13.575
NetR86_1: R86.1 U20.2 | length 1.2
  Top Layer w0.1: R86.1@40.7,14.175 40.8,14.075 U20.2@41.9,14.075
NetR87_1: R87.1 U20.4 | length 1.5
  Top Layer w0.3: R87.1@40.425,13.075 U20.4@41.9,13.075
NetR93_2: R93.2 T3.2 | length 6.8
  Top Layer w0.1: v1(71.475,8.825) 71.925,9.275 74.9,9.275 76.025,10.4 R93.2@76.15,10.4
  Bottom Layer w0.1: T3.2@71.475,7.375 v1(71.475,8.825)
NetR99_2: R99.2 R104.1 R112.2 T3.1 | length 6.9
  Top Layer w0.3: v1(69.475,5.95) R112.2@70.525,5.95 R104.1@70.525,6.85 71.6,6.85 72.675,7.925 R99.2@72.675,8.775
  Bottom Layer w0.3: v1(69.475,5.95) 69.475,7.275 T3.1@69.575,7.375
NetR101_1: R101.1 SW1.3 | length 50.1
  Top Layer w0.1: R101.1@57.5,7.975 57.5,8.65 57.65,8.8 60.385,8.8 61.05,8.135 v1(61.05,7.325)
  Signal Layer 2 w0.1: v1(61.05,7.325) 61.05,7.875 62.325,9.15 63.425,9.15 64.6,10.325 66.5,10.325 68.8,12.625 78.825,12.625 87.275,4.175 93.475,4.175 94,3.65 95.75,3.65 95.8,3.6 96.3,4.1 97.7,4.1 v1(97.745,4.055)
  Bottom Layer w0.1: v1(97.745,4.055) SW1.3@97.745,5.6